# Altium PCB OctopusPB_r0102.PcbDoc (part 6 of 10)
Units mm, origin at the board's own origin, x right, y up, seen from the top; angles counter-clockwise.
Board outline 318 x 80 mm, 4 copper layers (Top Layer, Layer 1, Layer 2, Bottom Layer), stack 1.62 mm thick; 806 components, 346 nets, 2957 pads, 6733 vias.
Unrouted connection lines stored in the file: 1143.
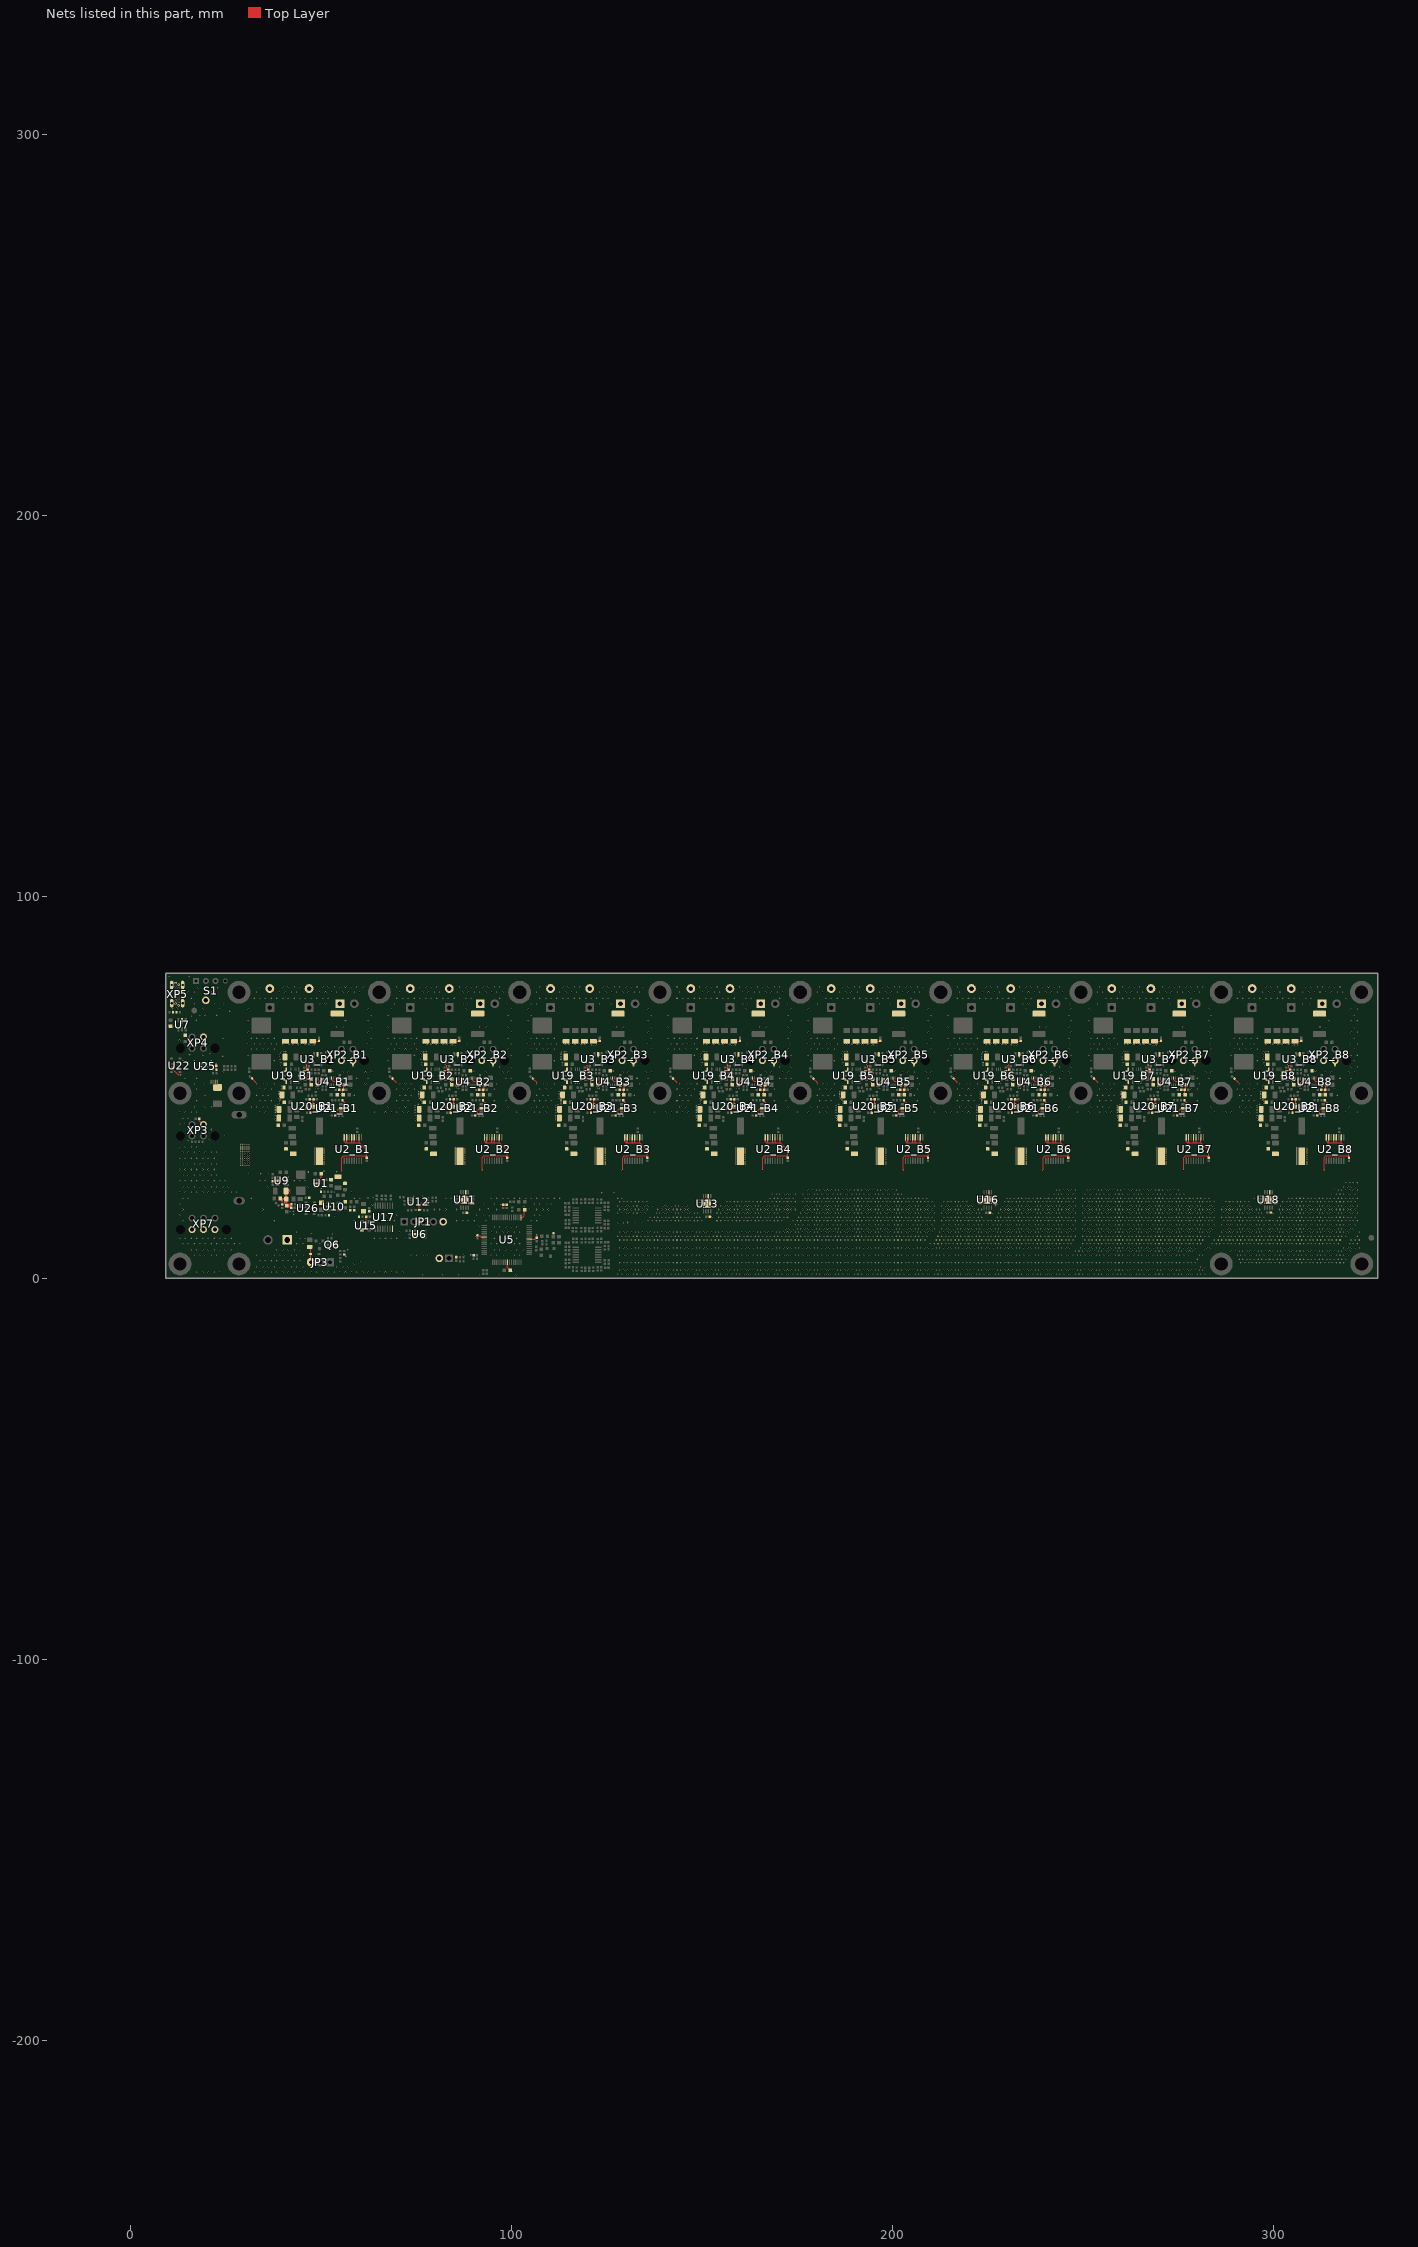
[diagram p8: the nets of this part, all layers, seen from the top]

## Via types
v1: diameter 0.4, hole 0.2, Top Layer to Bottom Layer, tented both sides, 6713 vias
v2: diameter 0.5, hole 0.2, Top Layer to Bottom Layer, tented both sides, 20 vias

## Nets (pads, with @x,y where several pads share a name; then routed paths per layer and width w, separated by ;. In a path a pad name is that pad's centre, name@x,y a point inside that pad or via, vN(x,y) a via of type N, cw(c..) or ccw(c..) an arc to the next point about the centre after c; other vN are vias at no path point) (continued)
DGND: (continued)
  other v1: 76.75,0.85 81.75,0.85 86.175,0.85 91.35,0.85 96.325,0.85 101.275,0.9 127.916,0.984 128.916,0.984 129.916,0.984 130.916,0.984 131.916,0.984 132.916,0.984 133.916,0.984 134.916,0.984 135.916,0.984 136.916,0.984 137.916,0.984 138.916,0.984 139.916,0.984 140.916,0.984 141.916,0.984 142.916,0.984 143.916,0.984 144.916,0.984 145.916,0.984 146.916,0.984 147.916,0.984 148.916,0.984 149.916,0.984 150.916,0.984 151.916,0.984 152.916,0.984 153.916,0.984 154.916,0.984 155.916,0.984 156.916,0.984 157.916,0.984 158.916,0.984 159.916,0.984 160.916,0.984 161.916,0.984 162.916,0.984 163.916,0.984 164.916,0.984 165.916,0.984 166.916,0.984 167.916,0.984 168.916,0.984 169.916,0.984 170.916,0.984 171.916,0.984 172.916,0.984 173.916,0.984 174.916,0.984 175.916,0.984 176.916,0.984 177.916,0.984 178.916,0.984 179.916,0.984 180.916,0.984 181.916,0.984 182.916,0.984 183.916,0.984 184.916,0.984 185.916,0.984 186.916,0.984 187.916,0.984 188.916,0.984 189.916,0.984 190.916,0.984 191.916,0.984 192.916,0.984 193.916,0.984 194.916,0.984 195.916,0.984 196.916,0.984 197.916,0.984 198.916,0.984 199.916,0.984 200.916,0.984 201.916,0.984 202.916,0.984 203.916,0.984 204.916,0.984 205.916,0.984 206.916,0.984 207.916,0.984 208.916,0.984 209.916,0.984 210.916,0.984 211.916,0.984 212.916,0.984 213.916,0.984 214.916,0.984 215.916,0.984 216.916,0.984 217.916,0.984 218.916,0.984 219.916,0.984 220.916,0.984 221.916,0.984 222.916,0.984 223.916,0.984 224.916,0.984 225.916,0.984 226.916,0.984 227.916,0.984 228.916,0.984 229.916,0.984 230.916,0.984 231.916,0.984 232.916,0.984 233.916,0.984 234.916,0.984 235.916,0.984 236.916,0.984 237.916,0.984 238.916,0.984 239.916,0.984 240.916,0.984 241.916,0.984 242.916,0.984 243.916,0.984 244.916,0.984 245.916,0.984 246.916,0.984 247.916,0.984 248.916,0.984 249.916,0.984 250.916,0.984 251.916,0.984 252.916,0.984 253.916,0.984 254.916,0.984 255.916,0.984 256.916,0.984 257.916,0.984 258.916,0.984 259.916,0.984 260.916,0.984 261.916,0.984 262.916,0.984 263.916,0.984 264.916,0.984 265.916,0.984 266.916,0.984 267.916,0.984 268.916,0.984 269.916,0.984 270.916,0.984 271.916,0.984 272.916,0.984 273.916,0.984 274.916,0.984 275.916,0.984 276.916,0.984 277.916,0.984 278.916,0.984 279.916,0.984 280.916,0.984 281.916,0.984 282.916,0.984 17.416,1.484 18.916,1.484 20.416,1.484 21.916,1.484 23.416,1.484 32.416,1.484 33.916,1.484 35.416,1.484 36.916,1.484 38.416,1.484 39.916,1.484 41.416,1.484 42.916,1.484 44.416,1.484 45.916,1.484 47.416,1.484 48.916,1.484 50.416,1.484 51.916,1.484 53.416,1.484 54.916,1.484 56.416,1.484 57.916,1.484 59.416,1.484 60.916,1.484 62.416,1.484 63.916,1.484 65.416,1.484 66.916,1.484 68.416,1.484 69.916,1.484 71.416,1.484 128.416,1.984 129.416,1.984 130.416,1.984 131.416,1.984 132.416,1.984 133.416,1.984 134.416,1.984 135.416,1.984 136.416,1.984 137.416,1.984 138.416,1.984 139.416,1.984 140.416,1.984 141.416,1.984 142.416,1.984 143.416,1.984 144.416,1.984 145.416,1.984 146.416,1.984 147.416,1.984 148.416,1.984 149.416,1.984 150.416,1.984 151.416,1.984 152.416,1.984 153.416,1.984 154.416,1.984 155.416,1.984 156.416,1.984 157.416,1.984 158.416,1.984 159.416,1.984 160.416,1.984 161.416,1.984 162.416,1.984 163.416,1.984 164.416,1.984 165.416,1.984 166.416,1.984 167.416,1.984 168.416,1.984 169.416,1.984 170.416,1.984 171.416,1.984 172.416,1.984 173.416,1.984 174.416,1.984 175.416,1.984 176.416,1.984 177.416,1.984 178.416,1.984 179.416,1.984 180.416,1.984 181.416,1.984 182.416,1.984 183.416,1.984 184.416,1.984 185.416,1.984 186.416,1.984 187.416,1.984 188.416,1.984 189.416,1.984 190.416,1.984 191.416,1.984 192.416,1.984 193.416,1.984 194.416,1.984 195.416,1.984 196.416,1.984 197.416,1.984 198.416,1.984 199.416,1.984 200.416,1.984 201.416,1.984 202.416,1.984 203.416,1.984 204.416,1.984 205.416,1.984 206.416,1.984 207.416,1.984 208.416,1.984 209.416,1.984 210.416,1.984 211.416,1.984 212.416,1.984 213.416,1.984 214.416,1.984 215.416,1.984 216.416,1.984 217.416,1.984 218.416,1.984 219.416,1.984 220.416,1.984 221.416,1.984 222.416,1.984 223.416,1.984 224.416,1.984 225.416,1.984 226.416,1.984 227.416,1.984 228.416,1.984 229.416,1.984 230.416,1.984 231.416,1.984 232.416,1.984 233.416,1.984 234.416,1.984 235.416,1.984 236.416,1.984 237.416,1.984 238.416,1.984 239.416,1.984 240.416,1.984 241.416,1.984 242.416,1.984 243.416,1.984 244.416,1.984 245.416,1.984 246.416,1.984 247.416,1.984 248.416,1.984 249.416,1.984 250.416,1.984 251.416,1.984 252.416,1.984 253.416,1.984 254.416,1.984 255.416,1.984 256.416,1.984 257.416,1.984 258.416,1.984 259.416,1.984 260.416,1.984 261.416,1.984 262.416,1.984 263.416,1.984 264.416,1.984 265.416,1.984 266.416,1.984 267.416,1.984 268.416,1.984 269.416,1.984 270.416,1.984 271.416,1.984 272.416,1.984 273.416,1.984 274.416,1.984 275.416,1.984 276.416,1.984 277.416,1.984 278.416,1.984 279.416,1.984 280.416,1.984 281.416,1.984 33.166,2.984 34.666,2.984 36.166,2.984 37.666,2.984 39.166,2.984 40.666,2.984 42.166,2.984 43.666,2.984 45.166,2.984 54.166,2.984 55.666,2.984 57.166,2.984 280.916,2.984 281.916,2.984 58.775,3.8 128.416,3.984 129.416,3.984 130.416,3.984 131.416,3.984 132.416,3.984 133.416,3.984 134.416,3.984 135.416,3.984 136.416,3.984 137.416,3.984 138.416,3.984 139.416,3.984 140.416,3.984 141.416,3.984 142.416,3.984 143.416,3.984 144.416,3.984 145.416,3.984 146.416,3.984 147.416,3.984 148.416,3.984 149.416,3.984 150.416,3.984 151.416,3.984 152.416,3.984 153.416,3.984 154.416,3.984 155.416,3.984 156.416,3.984 157.416,3.984 158.416,3.984 159.416,3.984 160.416,3.984 161.416,3.984 162.416,3.984 163.416,3.984 164.416,3.984 165.416,3.984 166.416,3.984 167.416,3.984 168.416,3.984 169.416,3.984 170.416,3.984 171.416,3.984 172.416,3.984 173.416,3.984 174.416,3.984 175.416,3.984 176.416,3.984 177.416,3.984 178.416,3.984 179.416,3.984 180.416,3.984 181.416,3.984 182.416,3.984 183.416,3.984 184.416,3.984 185.416,3.984 186.416,3.984 187.416,3.984 188.416,3.984 189.416,3.984 190.416,3.984 191.416,3.984 192.416,3.984 193.416,3.984 194.416,3.984 195.416,3.984 196.416,3.984 197.416,3.984 198.416,3.984 199.416,3.984 200.416,3.984 201.416,3.984 202.416,3.984 203.416,3.984 204.416,3.984 205.416,3.984 206.416,3.984 207.416,3.984 208.416,3.984 209.416,3.984 210.416,3.984 211.416,3.984 212.416,3.984 213.416,3.984 214.416,3.984 215.416,3.984 216.416,3.984 217.416,3.984 218.416,3.984 219.416,3.984 220.416,3.984 221.416,3.984 222.416,3.984 223.416,3.984 224.416,3.984 225.416,3.984 226.416,3.984 227.416,3.984 228.416,3.984 229.416,3.984 230.416,3.984 231.416,3.984 232.416,3.984 233.416,3.984 234.416,3.984 235.416,3.984 236.416,3.984 237.416,3.984 238.416,3.984 239.416,3.984 240.416,3.984 241.416,3.984 242.416,3.984 243.416,3.984 244.416,3.984 245.416,3.984 246.416,3.984 247.416,3.984 248.416,3.984 249.416,3.984 250.416,3.984 251.416,3.984 252.416,3.984 253.416,3.984 254.416,3.984 255.416,3.984 256.416,3.984 257.416,3.984 258.416,3.984 259.416,3.984 260.416,3.984 261.416,3.984 262.416,3.984 263.416,3.984 264.416,3.984 265.416,3.984 266.416,3.984 267.416,3.984 268.416,3.984 269.416,3.984 270.416,3.984 271.416,3.984 272.416,3.984 273.416,3.984 274.416,3.984 275.416,3.984 276.416,3.984 277.416,3.984 278.416,3.984 279.416,3.984 291.416,3.984 292.416,3.984 293.416,3.984 294.416,3.984 295.416,3.984 296.416,3.984 297.416,3.984 298.416,3.984 299.416,3.984 300.416,3.984 301.416,3.984 302.416,3.984 303.416,3.984 304.416,3.984 305.416,3.984 306.416,3.984 307.416,3.984 308.416,3.984 309.416,3.984 310.416,3.984 311.416,3.984 312.416,3.984 313.416,3.984 314.416,3.984 315.416,3.984 316.416,3.984 317.416,3.984 318.416,3.984 60.1,4.275 33.916,4.484 35.416,4.484 36.916,4.484 38.416,4.484 39.916,4.484 41.416,4.484 42.916,4.484 44.416,4.484 279.916,4.984 290.916,4.984 291.916,4.984 292.916,4.984 293.916,4.984 294.916,4.984 295.916,4.984 296.916,4.984 297.916,4.984 298.916,4.984 299.916,4.984 300.916,4.984 301.916,4.984 302.916,4.984 303.916,4.984 304.916,4.984 305.916,4.984 306.916,4.984 307.916,4.984 308.916,4.984 309.916,4.984 310.916,4.984 311.916,4.984 312.916,4.984 313.916,4.984 314.916,4.984 315.916,4.984 316.916,4.984 317.916,4.984 318.916,4.984 16.666,5.984 18.166,5.984 19.666,5.984 21.166,5.984 22.666,5.984 24.166,5.984 33.166,5.984 34.666,5.984 36.166,5.984 37.666,5.984 39.166,5.984 40.666,5.984 42.166,5.984 43.666,5.984 45.166,5.984 73.666,5.984 75.166,5.984 76.666,5.984 78.166,5.984 94.666,5.984 96.166,5.984 97.666,5.984 100.666,5.984 102.166,5.984 128.416,5.984 129.416,5.984 130.416,5.984 131.416,5.984 132.416,5.984 133.416,5.984 134.416,5.984 135.416,5.984 136.416,5.984 137.416,5.984 138.416,5.984 139.416,5.984 140.416,5.984 141.416,5.984 142.416,5.984 143.416,5.984 144.416,5.984 145.416,5.984 146.416,5.984 147.416,5.984 148.416,5.984 149.416,5.984 150.416,5.984 151.416,5.984 152.416,5.984 153.416,5.984 154.416,5.984 155.416,5.984 156.416,5.984 157.416,5.984 158.416,5.984 159.416,5.984 160.416,5.984 161.416,5.984 162.416,5.984 163.416,5.984 164.416,5.984 165.416,5.984 166.416,5.984 167.416,5.984 168.416,5.984 169.416,5.984 170.416,5.984 171.416,5.984 172.416,5.984 173.416,5.984 174.416,5.984 175.416,5.984 176.416,5.984 177.416,5.984 178.416,5.984 179.416,5.984 180.416,5.984 181.416,5.984 182.416,5.984 183.416,5.984 184.416,5.984 185.416,5.984 186.416,5.984 187.416,5.984 188.416,5.984 189.416,5.984 190.416,5.984 191.416,5.984 192.416,5.984 193.416,5.984 194.416,5.984 195.416,5.984 196.416,5.984 197.416,5.984 198.416,5.984 199.416,5.984 200.416,5.984 201.416,5.984 202.416,5.984 203.416,5.984 204.416,5.984 205.416,5.984 206.416,5.984 207.416,5.984 208.416,5.984 209.416,5.984 210.416,5.984 211.416,5.984 212.416,5.984 213.416,5.984 214.416,5.984 215.416,5.984 216.416,5.984 217.416,5.984 218.416,5.984 219.416,5.984 220.416,5.984 221.416,5.984 222.416,5.984 223.416,5.984 224.416,5.984 225.416,5.984 226.416,5.984 227.416,5.984 228.416,5.984 229.416,5.984 230.416,5.984 231.416,5.984 232.416,5.984 233.416,5.984 234.416,5.984 235.416,5.984 236.416,5.984 237.416,5.984 238.416,5.984 239.416,5.984 240.416,5.984 241.416,5.984 242.416,5.984 243.416,5.984 244.416,5.984 245.416,5.984 246.416,5.984 247.416,5.984 248.416,5.984 249.416,5.984 250.416,5.984 251.416,5.984 252.416,5.984 253.416,5.984 254.416,5.984 255.416,5.984 256.416,5.984 257.416,5.984 258.416,5.984 259.416,5.984 260.416,5.984 261.416,5.984 262.416,5.984 263.416,5.984 264.416,5.984 265.416,5.984 266.416,5.984 267.416,5.984 268.416,5.984 269.416,5.984 270.416,5.984 271.416,5.984 272.416,5.984 273.416,5.984 274.416,5.984 275.416,5.984 276.416,5.984 277.416,5.984 280.416,5.984 281.416,5.984 290.416,5.984 291.416,5.984 292.416,5.984 293.416,5.984 294.416,5.984 295.416,5.984 296.416,5.984 297.416,5.984 298.416,5.984 299.416,5.984 300.416,5.984 301.416,5.984 302.416,5.984 303.416,5.984 304.416,5.984 305.416,5.984 306.416,5.984 307.416,5.984 308.416,5.984 309.416,5.984 310.416,5.984 311.416,5.984 312.416,5.984 313.416,5.984 314.416,5.984 315.416,5.984 316.416,5.984 317.416,5.984 318.416,5.984 319.416,5.984 87.6,6.15 247.916,6.984 248.916,6.984 249.916,6.984 250.916,6.984 251.916,6.984 252.916,6.984 253.916,6.984 254.916,6.984 255.916,6.984 256.916,6.984 257.916,6.984 258.916,6.984 259.916,6.984 260.916,6.984 261.916,6.984 262.916,6.984 263.916,6.984 264.916,6.984 265.916,6.984 266.916,6.984 267.916,6.984 268.916,6.984 269.916,6.984 270.916,6.984 271.916,6.984 272.916,6.984 273.916,6.984 274.916,6.984 275.916,6.984 276.916,6.984 277.916,6.984 278.916,6.984 281.916,6.984 288.916,6.984 289.916,6.984 290.916,6.984 291.916,6.984 292.916,6.984 293.916,6.984 294.916,6.984 295.916,6.984 296.916,6.984 297.916,6.984 298.916,6.984 299.916,6.984 300.916,6.984 301.916,6.984 302.916,6.984 303.916,6.984 304.916,6.984 305.916,6.984 306.916,6.984 307.916,6.984 308.916,6.984 309.916,6.984 310.916,6.984 311.916,6.984 312.916,6.984 313.916,6.984 314.916,6.984 315.916,6.984 316.916,6.984 317.916,6.984 318.916,6.984 319.916,6.984 57.05,7.375 15.916,7.484 17.416,7.484 18.916,7.484 20.416,7.484 21.916,7.484 23.416,7.484 24.916,7.484 26.416,7.484 38.416,7.484 39.916,7.484 41.416,7.484 42.916,7.484 44.416,7.484 51.916,7.484 95.416,7.484 96.916,7.484 98.416,7.484 99.916,7.484 101.416,7.484 102.916,7.484 128.416,7.984 129.416,7.984 130.416,7.984 131.416,7.984 132.416,7.984 133.416,7.984 134.416,7.984 135.416,7.984 136.416,7.984 137.416,7.984 138.416,7.984 139.416,7.984 140.416,7.984 141.416,7.984 142.416,7.984 143.416,7.984 144.416,7.984 145.416,7.984 146.416,7.984 147.416,7.984 148.416,7.984 149.416,7.984 150.416,7.984 151.416,7.984 152.416,7.984 153.416,7.984 154.416,7.984 155.416,7.984 156.416,7.984 157.416,7.984 158.416,7.984 159.416,7.984 160.416,7.984 161.416,7.984 162.416,7.984 163.416,7.984 164.416,7.984 165.416,7.984 166.416,7.984 167.416,7.984 168.416,7.984 169.416,7.984 170.416,7.984 171.416,7.984 172.416,7.984 173.416,7.984 174.416,7.984 175.416,7.984 176.416,7.984 177.416,7.984 178.416,7.984 179.416,7.984 180.416,7.984 181.416,7.984 182.416,7.984 183.416,7.984 184.416,7.984 185.416,7.984 186.416,7.984 187.416,7.984 188.416,7.984 189.416,7.984 190.416,7.984 191.416,7.984 192.416,7.984 193.416,7.984 194.416,7.984 195.416,7.984 196.416,7.984 197.416,7.984 198.416,7.984 199.416,7.984 200.416,7.984 201.416,7.984 202.416,7.984 203.416,7.984 204.416,7.984 205.416,7.984 206.416,7.984 207.416,7.984 208.416,7.984 209.416,7.984 210.416,7.984 211.416,7.984 212.416,7.984 213.416,7.984 214.416,7.984 215.416,7.984 216.416,7.984 217.416,7.984 218.416,7.984 219.416,7.984 220.416,7.984 221.416,7.984 222.416,7.984 223.416,7.984 224.416,7.984 225.416,7.984 226.416,7.984 227.416,7.984 228.416,7.984 229.416,7.984 230.416,7.984 231.416,7.984 232.416,7.984 233.416,7.984 234.416,7.984 235.416,7.984 236.416,7.984 237.416,7.984 238.416,7.984 239.416,7.984 240.416,7.984 241.416,7.984 242.416,7.984 243.416,7.984 244.416,7.984 245.416,7.984 246.416,7.984 249.416,7.984 250.416,7.984 251.416,7.984 252.416,7.984 253.416,7.984 254.416,7.984 255.416,7.984 256.416,7.984 257.416,7.984 258.416,7.984 259.416,7.984 260.416,7.984 261.416,7.984 262.416,7.984 263.416,7.984 264.416,7.984 265.416,7.984 266.416,7.984 267.416,7.984 268.416,7.984 269.416,7.984 270.416,7.984 271.416,7.984 272.416,7.984 273.416,7.984 274.416,7.984 275.416,7.984 276.416,7.984 277.416,7.984 278.416,7.984 279.416,7.984 282.416,7.984 283.416,7.984 318.416,7.984 319.416,7.984 320.416,7.984 321.416,7.984 322.416,7.984 13.666,8.984 15.166,8.984 16.666,8.984 18.166,8.984 19.666,8.984 21.166,8.984 22.666,8.984 24.166,8.984 25.666,8.984 27.166,8.984 28.666,8.984 43.666,8.984 45.166,8.984 49.666,8.984 94.666,8.984 96.166,8.984 97.666,8.984 99.166,8.984 100.666,8.984 102.166,8.984 209.916,8.984 210.916,8.984 211.916,8.984 212.916,8.984 213.916,8.984 214.916,8.984 215.916,8.984 216.916,8.984 217.916,8.984 218.916,8.984 219.916,8.984 220.916,8.984 221.916,8.984 222.916,8.984 223.916,8.984 224.916,8.984 225.916,8.984 226.916,8.984 227.916,8.984 228.916,8.984 229.916,8.984 230.916,8.984 231.916,8.984 232.916,8.984 233.916,8.984 234.916,8.984 235.916,8.984 236.916,8.984 237.916,8.984 238.916,8.984 239.916,8.984 240.916,8.984 241.916,8.984 242.916,8.984 243.916,8.984 244.916,8.984 245.916,8.984 246.916,8.984 249.916,8.984 250.916,8.984 251.916,8.984 252.916,8.984 253.916,8.984 254.916,8.984 255.916,8.984 256.916,8.984 257.916,8.984 258.916,8.984 259.916,8.984 260.916,8.984 261.916,8.984 262.916,8.984 263.916,8.984 264.916,8.984 265.916,8.984 266.916,8.984 267.916,8.984 268.916,8.984 269.916,8.984 270.916,8.984 271.916,8.984 272.916,8.984 273.916,8.984 274.916,8.984 275.916,8.984 276.916,8.984 277.916,8.984 278.916,8.984 279.916,8.984 280.916,8.984 283.916,8.984 284.916,8.984 285.916,8.984 286.916,8.984 287.916,8.984 288.916,8.984 289.916,8.984 290.916,8.984 291.916,8.984 292.916,8.984 293.916,8.984 294.916,8.984 295.916,8.984 296.916,8.984 297.916,8.984 298.916,8.984 299.916,8.984 300.916,8.984 301.916,8.984 302.916,8.984 303.916,8.984 304.916,8.984 305.916,8.984 306.916,8.984 307.916,8.984 308.916,8.984 309.916,8.984 310.916,8.984 311.916,8.984 312.916,8.984 313.916,8.984 314.916,8.984 315.916,8.984 316.916,8.984 319.916,8.984 320.916,8.984 321.916,8.984 128.416,9.984 129.416,9.984 130.416,9.984 131.416,9.984 132.416,9.984 133.416,9.984 134.416,9.984 135.416,9.984 136.416,9.984 137.416,9.984 138.416,9.984 139.416,9.984 140.416,9.984 141.416,9.984 142.416,9.984 143.416,9.984 144.416,9.984 145.416,9.984 146.416,9.984 147.416,9.984 148.416,9.984 149.416,9.984 150.416,9.984 151.416,9.984 152.416,9.984 153.416,9.984 154.416,9.984 155.416,9.984 156.416,9.984 157.416,9.984 158.416,9.984 159.416,9.984 160.416,9.984 161.416,9.984 162.416,9.984 163.416,9.984 164.416,9.984 165.416,9.984 166.416,9.984 167.416,9.984 168.416,9.984 169.416,9.984 170.416,9.984 171.416,9.984 172.416,9.984 173.416,9.984 174.416,9.984 175.416,9.984 176.416,9.984 177.416,9.984 178.416,9.984 179.416,9.984 180.416,9.984 181.416,9.984 182.416,9.984 183.416,9.984 184.416,9.984 185.416,9.984 186.416,9.984 187.416,9.984 188.416,9.984 189.416,9.984 190.416,9.984 191.416,9.984 192.416,9.984 193.416,9.984 194.416,9.984 195.416,9.984 196.416,9.984 197.416,9.984 198.416,9.984 199.416,9.984 200.416,9.984 201.416,9.984 202.416,9.984 203.416,9.984 204.416,9.984 205.416,9.984 206.416,9.984 207.416,9.984 208.416,9.984 211.416,9.984 212.416,9.984 213.416,9.984 214.416,9.984 215.416,9.984 216.416,9.984 217.416,9.984 218.416,9.984 219.416,9.984 220.416,9.984 221.416,9.984 222.416,9.984 223.416,9.984 224.416,9.984 225.416,9.984 226.416,9.984 227.416,9.984 228.416,9.984 229.416,9.984 230.416,9.984 231.416,9.984 232.416,9.984 233.416,9.984 234.416,9.984 235.416,9.984 236.416,9.984 237.416,9.984 238.416,9.984 239.416,9.984 240.416,9.984 241.416,9.984 242.416,9.984 243.416,9.984 244.416,9.984 245.416,9.984 246.416,9.984 247.416,9.984 250.416,9.984 251.416,9.984 252.416,9.984 253.416,9.984 254.416,9.984 255.416,9.984 256.416,9.984 257.416,9.984 258.416,9.984 259.416,9.984 260.416,9.984 261.416,9.984 262.416,9.984 263.416,9.984 264.416,9.984 265.416,9.984 266.416,9.984 267.416,9.984 268.416,9.984 269.416,9.984 270.416,9.984 271.416,9.984 272.416,9.984 273.416,9.984 274.416,9.984 275.416,9.984 276.416,9.984 277.416,9.984 278.416,9.984 279.416,9.984 280.416,9.984 281.416,9.984 284.416,9.984 285.416,9.984 286.416,9.984 287.416,9.984 288.416,9.984 289.416,9.984 290.416,9.984 291.416,9.984 292.416,9.984 293.416,9.984 294.416,9.984 295.416,9.984 296.416,9.984 297.416,9.984 298.416,9.984 299.416,9.984 300.416,9.984 301.416,9.984 302.416,9.984 303.416,9.984 304.416,9.984 305.416,9.984 306.416,9.984 307.416,9.984 308.416,9.984 309.416,9.984 310.416,9.984 311.416,9.984 312.416,9.984 313.416,9.984 314.416,9.984 315.416,9.984 316.416,9.984 317.416,9.984 320.416,9.984 321.416,9.984 322.416,9.984 72.1,10.125 12.916,10.484 14.416,10.484 15.916,10.484 17.416,10.484 18.916,10.484 20.416,10.484 21.916,10.484 23.416,10.484 24.916,10.484 26.416,10.484 44.416,10.484 45.916,10.484 63.916,10.484 65.416,10.484 66.916,10.484 68.416,10.484 69.916,10.484 95.416,10.484 96.916,10.484 98.416,10.484 99.916,10.484 101.416,10.484 127.916,10.984 128.916,10.984 129.916,10.984 130.916,10.984 131.916,10.984 132.916,10.984 133.916,10.984 134.916,10.984 135.916,10.984 136.916,10.984 137.916,10.984 138.916,10.984 139.916,10.984 140.916,10.984 141.916,10.984 142.916,10.984 143.916,10.984 144.916,10.984 145.916,10.984 146.916,10.984 147.916,10.984 148.916,10.984 149.916,10.984 150.916,10.984 151.916,10.984 152.916,10.984 153.916,10.984 154.916,10.984 155.916,10.984 156.916,10.984 157.916,10.984 158.916,10.984 159.916,10.984 160.916,10.984 161.916,10.984 162.916,10.984 163.916,10.984 164.916,10.984 165.916,10.984 166.916,10.984 167.916,10.984 168.916,10.984 169.916,10.984 170.916,10.984 171.916,10.984 172.916,10.984 173.916,10.984 174.916,10.984 175.916,10.984 176.916,10.984 177.916,10.984 178.916,10.984 179.916,10.984 180.916,10.984 181.916,10.984 182.916,10.984 183.916,10.984 184.916,10.984 185.916,10.984 186.916,10.984 187.916,10.984 188.916,10.984 189.916,10.984 190.916,10.984 191.916,10.984 192.916,10.984 193.916,10.984 194.916,10.984 195.916,10.984 196.916,10.984 197.916,10.984 198.916,10.984 199.916,10.984 200.916,10.984 201.916,10.984 202.916,10.984 203.916,10.984 204.916,10.984 205.916,10.984 206.916,10.984 207.916,10.984 208.916,10.984 211.916,10.984 212.916,10.984 213.916,10.984 214.916,10.984 215.916,10.984 216.916,10.984 217.916,10.984 218.916,10.984 219.916,10.984 220.916,10.984 221.916,10.984 222.916,10.984 223.916,10.984 224.916,10.984 225.916,10.984 226.916,10.984 227.916,10.984 228.916,10.984 229.916,10.984 230.916,10.984 231.916,10.984 232.916,10.984 233.916,10.984 234.916,10.984 235.916,10.984 236.916,10.984 237.916,10.984 238.916,10.984 239.916,10.984 240.916,10.984 241.916,10.984 242.916,10.984 243.916,10.984 244.916,10.984 245.916,10.984 246.916,10.984 247.916,10.984 249.916,10.984 250.916,10.984 251.916,10.984 252.916,10.984 253.916,10.984 254.916,10.984 255.916,10.984 256.916,10.984 257.916,10.984 258.916,10.984 259.916,10.984 260.916,10.984 261.916,10.984 262.916,10.984 263.916,10.984 264.916,10.984 265.916,10.984 266.916,10.984 267.916,10.984 268.916,10.984 269.916,10.984 270.916,10.984 271.916,10.984 272.916,10.984 273.916,10.984 274.916,10.984 275.916,10.984 276.916,10.984 277.916,10.984 278.916,10.984 279.916,10.984 280.916,10.984 281.916,10.984 282.916,10.984 285.916,10.984 286.916,10.984 287.916,10.984 288.916,10.984 289.916,10.984 290.916,10.984 291.916,10.984 292.916,10.984 293.916,10.984 294.916,10.984 295.916,10.984 296.916,10.984 297.916,10.984 298.916,10.984 299.916,10.984 300.916,10.984 301.916,10.984 302.916,10.984 303.916,10.984 304.916,10.984 305.916,10.984 306.916,10.984 307.916,10.984 308.916,10.984 309.916,10.984 310.916,10.984 311.916,10.984 312.916,10.984 313.916,10.984 314.916,10.984 315.916,10.984 316.916,10.984 317.916,10.984 318.916,10.984 321.916,10.984 52.9,11.475 47.425,11.6 43.666,11.984 70.666,11.984 94.666,11.984 96.166,11.984 97.666,11.984 99.166,11.984 100.666,11.984 102.166,11.984 128.416,11.984 129.416,11.984 130.416,11.984 131.416,11.984 132.416,11.984 133.416,11.984 134.416,11.984 135.416,11.984 136.416,11.984 137.416,11.984 138.416,11.984 139.416,11.984 140.416,11.984 141.416,11.984 142.416,11.984 143.416,11.984 144.416,11.984 145.416,11.984 146.416,11.984 147.416,11.984 148.416,11.984 149.416,11.984 150.416,11.984 151.416,11.984 152.416,11.984 153.416,11.984 154.416,11.984 155.416,11.984 156.416,11.984 157.416,11.984 158.416,11.984 159.416,11.984 160.416,11.984 161.416,11.984 162.416,11.984 163.416,11.984 164.416,11.984 165.416,11.984 166.416,11.984 167.416,11.984 168.416,11.984 169.416,11.984 170.416,11.984 171.416,11.984 172.416,11.984 173.416,11.984 174.416,11.984 175.416,11.984 176.416,11.984 177.416,11.984 178.416,11.984 179.416,11.984 180.416,11.984 181.416,11.984 182.416,11.984 183.416,11.984 184.416,11.984 185.416,11.984 186.416,11.984 187.416,11.984 188.416,11.984 189.416,11.984 190.416,11.984 191.416,11.984 192.416,11.984 193.416,11.984 194.416,11.984 195.416,11.984 196.416,11.984 197.416,11.984 198.416,11.984 199.416,11.984 200.416,11.984 201.416,11.984 202.416,11.984 203.416,11.984 204.416,11.984 205.416,11.984 206.416,11.984 207.416,11.984 208.416,11.984 209.416,11.984 210.416,11.984 212.416,11.984 213.416,11.984 214.416,11.984 215.416,11.984 216.416,11.984 217.416,11.984 218.416,11.984 219.416,11.984 220.416,11.984 221.416,11.984 222.416,11.984 223.416,11.984 224.416,11.984 225.416,11.984 226.416,11.984 227.416,11.984 228.416,11.984 229.416,11.984 230.416,11.984 231.416,11.984 232.416,11.984 233.416,11.984 234.416,11.984 235.416,11.984 236.416,11.984 237.416,11.984 238.416,11.984 239.416,11.984 240.416,11.984 241.416,11.984 242.416,11.984 243.416,11.984 244.416,11.984 245.416,11.984 246.416,11.984 247.416,11.984 250.416,11.984 251.416,11.984 252.416,11.984 253.416,11.984 254.416,11.984 255.416,11.984 256.416,11.984 257.416,11.984 258.416,11.984 259.416,11.984 260.416,11.984 261.416,11.984 262.416,11.984 263.416,11.984 264.416,11.984 265.416,11.984 266.416,11.984 267.416,11.984 268.416,11.984 269.416,11.984 270.416,11.984 271.416,11.984 272.416,11.984 273.416,11.984 274.416,11.984 275.416,11.984 276.416,11.984 277.416,11.984 278.416,11.984 279.416,11.984 280.416,11.984 281.416,11.984 282.416,11.984 283.416,11.984 286.416,11.984 287.416,11.984 288.416,11.984 289.416,11.984 290.416,11.984 291.416,11.984 292.416,11.984 293.416,11.984 294.416,11.984 295.416,11.984 296.416,11.984 297.416,11.984 298.416,11.984 299.416,11.984 300.416,11.984 301.416,11.984 302.416,11.984 303.416,11.984 304.416,11.984 305.416,11.984 306.416,11.984 307.416,11.984 308.416,11.984 309.416,11.984 310.416,11.984 311.416,11.984 312.416,11.984 313.416,11.984 314.416,11.984 315.416,11.984 316.416,11.984 317.416,11.984 318.416,11.984 319.416,11.984 322.416,11.984 171.916,12.984 172.916,12.984 173.916,12.984 174.916,12.984 175.916,12.984 176.916,12.984 177.916,12.984 178.916,12.984 179.916,12.984 180.916,12.984 181.916,12.984 182.916,12.984 183.916,12.984 184.916,12.984 185.916,12.984 186.916,12.984 187.916,12.984 188.916,12.984 189.916,12.984 190.916,12.984 191.916,12.984 192.916,12.984 193.916,12.984 194.916,12.984 195.916,12.984 196.916,12.984 197.916,12.984 198.916,12.984 199.916,12.984 200.916,12.984 201.916,12.984 202.916,12.984 203.916,12.984 204.916,12.984 205.916,12.984 206.916,12.984 207.916,12.984 208.916,12.984 209.916,12.984 210.916,12.984 212.916,12.984 213.916,12.984 214.916,12.984 215.916,12.984 216.916,12.984 217.916,12.984 218.916,12.984 219.916,12.984 220.916,12.984 221.916,12.984 222.916,12.984 223.916,12.984 224.916,12.984 225.916,12.984 226.916,12.984 227.916,12.984 228.916,12.984 229.916,12.984 230.916,12.984 231.916,12.984 232.916,12.984 233.916,12.984 234.916,12.984 235.916,12.984 236.916,12.984 237.916,12.984 238.916,12.984 239.916,12.984 240.916,12.984 241.916,12.984 242.916,12.984 243.916,12.984 244.916,12.984 245.916,12.984 246.916,12.984 247.916,12.984 249.916,12.984 250.916,12.984 251.916,12.984 252.916,12.984 253.916,12.984 254.916,12.984 255.916,12.984 256.916,12.984 257.916,12.984 258.916,12.984 259.916,12.984 260.916,12.984 261.916,12.984 262.916,12.984 263.916,12.984 264.916,12.984 265.916,12.984 266.916,12.984 267.916,12.984 268.916,12.984 269.916,12.984 270.916,12.984 271.916,12.984 272.916,12.984 273.916,12.984 274.916,12.984 275.916,12.984 276.916,12.984 277.916,12.984 278.916,12.984 279.916,12.984 280.916,12.984 281.916,12.984 282.916,12.984 283.916,12.984 286.916,12.984 287.916,12.984 288.916,12.984 289.916,12.984 290.916,12.984 291.916,12.984 292.916,12.984 293.916,12.984 294.916,12.984 295.916,12.984 296.916,12.984 297.916,12.984 298.916,12.984 299.916,12.984 300.916,12.984 301.916,12.984 302.916,12.984 303.916,12.984 304.916,12.984 305.916,12.984 306.916,12.984 307.916,12.984 308.916,12.984 309.916,12.984 310.916,12.984 311.916,12.984 312.916,12.984 313.916,12.984 314.916,12.984 315.916,12.984 316.916,12.984 317.916,12.984 318.916,12.984 319.916,12.984 320.916,12.984 95.416,13.484 96.916,13.484 98.416,13.484 99.916,13.484 101.416,13.484 91.55,13.775 173.416,13.984 174.416,13.984 175.416,13.984 176.416,13.984 177.416,13.984 178.416,13.984 179.416,13.984 180.416,13.984 181.416,13.984 182.416,13.984 183.416,13.984 184.416,13.984 185.416,13.984 186.416,13.984 187.416,13.984 188.416,13.984 189.416,13.984 190.416,13.984 191.416,13.984 192.416,13.984 193.416,13.984 194.416,13.984 195.416,13.984 196.416,13.984 197.416,13.984 198.416,13.984 199.416,13.984 200.416,13.984 201.416,13.984 202.416,13.984 203.416,13.984 204.416,13.984 205.416,13.984 206.416,13.984 207.416,13.984 208.416,13.984 209.416,13.984 210.416,13.984 213.416,13.984 214.416,13.984 215.416,13.984 216.416,13.984 217.416,13.984 218.416,13.984 219.416,13.984 220.416,13.984 221.416,13.984 222.416,13.984 223.416,13.984 224.416,13.984 225.416,13.984 226.416,13.984 227.416,13.984 228.416,13.984 229.416,13.984 230.416,13.984 231.416,13.984 232.416,13.984 233.416,13.984 234.416,13.984 235.416,13.984 236.416,13.984 237.416,13.984 238.416,13.984 239.416,13.984 240.416,13.984 241.416,13.984 242.416,13.984 243.416,13.984 244.416,13.984 245.416,13.984 246.416,13.984 247.416,13.984 250.416,13.984 251.416,13.984 252.416,13.984 253.416,13.984 254.416,13.984 255.416,13.984 256.416,13.984 257.416,13.984 258.416,13.984 259.416,13.984 260.416,13.984 261.416,13.984 262.416,13.984 263.416,13.984 264.416,13.984 265.416,13.984 266.416,13.984 267.416,13.984 268.416,13.984 269.416,13.984 270.416,13.984 271.416,13.984 272.416,13.984 273.416,13.984 274.416,13.984 275.416,13.984 276.416,13.984 277.416,13.984 278.416,13.984 279.416,13.984 280.416,13.984 281.416,13.984 282.416,13.984 283.416,13.984 284.416,13.984 286.416,13.984 287.416,13.984 288.416,13.984 289.416,13.984 290.416,13.984 291.416,13.984 292.416,13.984 293.416,13.984 294.416,13.984 295.416,13.984 296.416,13.984 297.416,13.984 298.416,13.984 299.416,13.984 300.416,13.984 301.416,13.984 302.416,13.984 303.416,13.984 304.416,13.984 305.416,13.984 306.416,13.984 307.416,13.984 308.416,13.984 309.416,13.984 310.416,13.984 311.416,13.984 312.416,13.984 313.416,13.984 314.416,13.984 315.416,13.984 316.416,13.984 317.416,13.984 318.416,13.984 319.416,13.984 320.416,13.984 321.416,13.984 132.025,14.5 133.85,14.5 129.25,14.525 128.05,14.55 130.525,14.575 13.666,14.984 37.666,14.984 58.666,14.984 66.166,14.984 67.666,14.984 69.166,14.984 85.666,14.984 87.166,14.984 88.666,14.984 90.166,14.984 93.166,14.984 105.166,14.984 106.666,14.984 135.916,14.984 136.916,14.984 137.916,14.984 138.916,14.984 139.916,14.984 140.916,14.984 141.916,14.984 142.916,14.984 143.916,14.984 144.916,14.984 145.916,14.984 146.916,14.984 147.916,14.984 148.916,14.984 149.916,14.984 153.916,14.984 154.916,14.984 155.916,14.984 156.916,14.984 157.916,14.984 158.916,14.984 159.916,14.984 160.916,14.984 161.916,14.984 162.916,14.984 163.916,14.984 164.916,14.984 165.916,14.984 166.916,14.984 167.916,14.984 168.916,14.984 169.916,14.984 170.916,14.984 173.916,14.984 174.916,14.984 175.916,14.984 176.916,14.984 177.916,14.984 178.916,14.984 179.916,14.984 180.916,14.984 181.916,14.984 182.916,14.984 183.916,14.984 184.916,14.984 185.916,14.984 186.916,14.984 187.916,14.984 188.916,14.984 189.916,14.984 190.916,14.984 191.916,14.984 192.916,14.984 193.916,14.984 194.916,14.984 195.916,14.984 196.916,14.984 197.916,14.984 198.916,14.984 199.916,14.984 200.916,14.984 201.916,14.984 202.916,14.984 203.916,14.984 204.916,14.984 205.916,14.984 206.916,14.984 207.916,14.984 208.916,14.984 209.916,14.984 210.916,14.984 212.916,14.984 213.916,14.984 214.916,14.984 215.916,14.984 216.916,14.984 217.916,14.984 218.916,14.984 219.916,14.984 220.916,14.984 221.916,14.984 222.916,14.984 223.916,14.984 224.916,14.984 225.916,14.984 226.916,14.984 227.916,14.984 228.916,14.984 229.916,14.984 230.916,14.984 231.916,14.984 232.916,14.984 233.916,14.984 234.916,14.984 235.916,14.984 236.916,14.984 237.916,14.984 238.916,14.984 239.916,14.984 240.916,14.984 241.916,14.984 242.916,14.984 243.916,14.984 244.916,14.984 245.916,14.984 246.916,14.984 247.916,14.984 249.916,14.984 250.916,14.984 251.916,14.984 252.916,14.984 253.916,14.984 254.916,14.984 255.916,14.984 256.916,14.984 257.916,14.984 258.916,14.984 259.916,14.984 260.916,14.984 261.916,14.984 262.916,14.984 263.916,14.984 264.916,14.984 265.916,14.984 266.916,14.984 267.916,14.984 268.916,14.984 269.916,14.984 270.916,14.984 271.916,14.984 272.916,14.984 273.916,14.984 274.916,14.984 275.916,14.984 276.916,14.984 277.916,14.984 278.916,14.984 279.916,14.984 280.916,14.984 281.916,14.984 282.916,14.984 283.916,14.984 286.916,14.984 287.916,14.984 288.916,14.984 289.916,14.984 290.916,14.984 291.916,14.984 292.916,14.984 293.916,14.984 294.916,14.984 295.916,14.984 296.916,14.984 297.916,14.984 298.916,14.984 299.916,14.984 300.916,14.984 301.916,14.984 302.916,14.984 303.916,14.984 304.916,14.984 305.916,14.984 306.916,14.984 307.916,14.984 308.916,14.984 309.916,14.984 310.916,14.984 311.916,14.984 312.916,14.984 313.916,14.984 314.916,14.984 315.916,14.984 316.916,14.984 317.916,14.984 318.916,14.984 319.916,14.984 320.916,14.984 321.916,14.984 136.416,15.984 137.416,15.984 138.416,15.984 139.416,15.984 140.416,15.984 141.416,15.984 142.416,15.984 143.416,15.984 144.416,15.984 145.416,15.984 146.416,15.984 147.416,15.984 148.416,15.984 149.416,15.984 154.416,15.984 155.416,15.984 156.416,15.984 157.416,15.984 158.416,15.984 159.416,15.984 160.416,15.984 161.416,15.984 162.416,15.984 163.416,15.984 164.416,15.984 165.416,15.984 166.416,15.984 167.416,15.984 168.416,15.984 169.416,15.984 170.416,15.984 171.416,15.984 172.416,15.984 175.416,15.984 176.416,15.984 177.416,15.984 178.416,15.984 179.416,15.984 180.416,15.984 181.416,15.984 182.416,15.984 183.416,15.984 184.416,15.984 185.416,15.984 186.416,15.984 187.416,15.984 188.416,15.984 189.416,15.984 190.416,15.984 191.416,15.984 192.416,15.984 193.416,15.984 194.416,15.984 195.416,15.984 196.416,15.984 197.416,15.984 198.416,15.984 199.416,15.984 200.416,15.984 201.416,15.984 202.416,15.984 203.416,15.984 204.416,15.984 205.416,15.984 206.416,15.984 207.416,15.984 208.416,15.984 209.416,15.984 210.416,15.984 213.416,15.984 214.416,15.984 215.416,15.984 216.416,15.984 217.416,15.984 218.416,15.984 219.416,15.984 220.416,15.984 221.416,15.984 222.416,15.984 223.416,15.984 227.416,15.984 228.416,15.984 229.416,15.984 230.416,15.984 231.416,15.984 232.416,15.984 233.416,15.984 234.416,15.984 235.416,15.984 236.416,15.984 237.416,15.984 238.416,15.984 239.416,15.984 240.416,15.984 241.416,15.984 242.416,15.984 243.416,15.984 244.416,15.984 245.416,15.984 246.416,15.984 247.416,15.984 250.416,15.984 251.416,15.984 252.416,15.984 253.416,15.984 254.416,15.984 255.416,15.984 256.416,15.984 257.416,15.984 258.416,15.984 259.416,15.984 260.416,15.984 261.416,15.984 262.416,15.984 263.416,15.984 264.416,15.984 265.416,15.984 266.416,15.984 267.416,15.984 268.416,15.984 269.416,15.984 270.416,15.984 271.416,15.984 272.416,15.984 273.416,15.984 274.416,15.984 275.416,15.984 276.416,15.984 277.416,15.984 278.416,15.984 279.416,15.984 280.416,15.984 281.416,15.984 282.416,15.984 283.416,15.984 284.416,15.984 286.416,15.984 287.416,15.984 288.416,15.984 289.416,15.984 290.416,15.984 291.416,15.984 292.416,15.984 293.416,15.984 294.416,15.984 295.416,15.984 296.416,15.984 297.416,15.984 301.416,15.984 302.416,15.984 303.416,15.984 304.416,15.984 305.416,15.984 306.416,15.984 307.416,15.984 308.416,15.984 309.416,15.984 310.416,15.984 311.416,15.984 312.416,15.984 313.416,15.984 314.416,15.984 315.416,15.984 316.416,15.984 317.416,15.984 318.416,15.984 319.416,15.984 320.416,15.984 321.416,15.984 94.1,16.35 53.6,16.4 12.916,16.484 65.416,16.484 66.916,16.484 68.416,16.484 69.916,16.484 90.916,16.484 92.416,16.484 105.916,16.484 107.416,16.484 42.875,16.8 127.916,16.984 128.916,16.984 129.916,16.984 130.916,16.984 131.916,16.984 132.916,16.984 133.916,16.984 134.916,16.984 137.916,16.984 138.916,16.984 139.916,16.984 140.916,16.984 141.916,16.984 142.916,16.984 143.916,16.984 144.916,16.984 145.916,16.984 146.916,16.984 147.916,16.984 148.916,16.984 153.916,16.984 154.916,16.984 155.916,16.984 156.916,16.984 157.916,16.984 158.916,16.984 159.916,16.984 160.916,16.984 161.916,16.984 162.916,16.984 163.916,16.984 164.916,16.984 165.916,16.984 166.916,16.984 167.916,16.984 168.916,16.984 169.916,16.984 170.916,16.984 171.916,16.984 172.916,16.984 175.916,16.984 176.916,16.984 177.916,16.984 178.916,16.984 179.916,16.984 180.916,16.984 181.916,16.984 182.916,16.984 183.916,16.984 184.916,16.984 185.916,16.984 186.916,16.984 187.916,16.984 188.916,16.984 189.916,16.984 190.916,16.984 191.916,16.984 192.916,16.984 193.916,16.984 194.916,16.984 195.916,16.984 196.916,16.984 197.916,16.984 198.916,16.984 199.916,16.984 200.916,16.984 201.916,16.984 202.916,16.984 203.916,16.984 204.916,16.984 205.916,16.984 206.916,16.984 207.916,16.984 208.916,16.984 209.916,16.984 210.916,16.984 212.916,16.984 213.916,16.984 214.916,16.984 215.916,16.984 216.916,16.984 217.916,16.984 218.916,16.984 219.916,16.984 220.916,16.984 221.916,16.984 222.916,16.984 227.916,16.984 228.916,16.984 229.916,16.984 230.916,16.984 231.916,16.984 232.916,16.984 233.916,16.984 234.916,16.984 235.916,16.984 236.916,16.984 237.916,16.984 238.916,16.984 239.916,16.984 240.916,16.984 241.916,16.984 242.916,16.984 243.916,16.984 244.916,16.984 245.916,16.984 246.916,16.984 247.916,16.984 249.916,16.984 250.916,16.984 251.916,16.984 252.916,16.984 253.916,16.984 254.916,16.984 255.916,16.984 256.916,16.984 257.916,16.984 258.916,16.984 259.916,16.984 260.916,16.984 261.916,16.984 262.916,16.984 263.916,16.984 264.916,16.984 265.916,16.984 266.916,16.984 267.916,16.984 268.916,16.984 269.916,16.984 270.916,16.984 271.916,16.984 272.916,16.984 273.916,16.984 274.916,16.984 275.916,16.984 276.916,16.984 277.916,16.984 278.916,16.984 279.916,16.984 280.916,16.984 281.916,16.984 282.916,16.984 283.916,16.984 286.916,16.984 287.916,16.984 288.916,16.984 289.916,16.984 290.916,16.984 291.916,16.984 292.916,16.984 293.916,16.984 294.916,16.984 295.916,16.984 296.916,16.984 301.916,16.984 302.916,16.984 303.916,16.984 304.916,16.984 305.916,16.984 306.916,16.984 307.916,16.984 308.916,16.984 309.916,16.984 310.916,16.984 311.916,16.984 312.916,16.984 313.916,16.984 314.916,16.984 315.916,16.984 316.916,16.984 317.916,16.984 318.916,16.984 319.916,16.984 320.916,16.984 321.916,16.984 41.975,17.55 42.65,17.575 13.666,17.984 34.666,17.984 79.666,17.984 81.166,17.984 82.666,17.984 85.666,17.984 91.666,17.984 96.166,17.984 106.666,17.984 108.166,17.984 109.666,17.984 128.416,17.984 129.416,17.984 130.416,17.984 131.416,17.984 132.416,17.984 133.416,17.984 134.416,17.984 135.416,17.984 138.416,17.984 139.416,17.984 140.416,17.984 141.416,17.984 142.416,17.984 143.416,17.984 144.416,17.984 145.416,17.984 146.416,17.984 154.416,17.984 155.416,17.984 156.416,17.984 157.416,17.984 158.416,17.984 159.416,17.984 160.416,17.984 161.416,17.984 162.416,17.984 163.416,17.984 164.416,17.984 165.416,17.984 166.416,17.984 167.416,17.984 168.416,17.984 169.416,17.984 170.416,17.984 171.416,17.984 172.416,17.984 173.416,17.984 174.416,17.984 176.416,17.984 177.416,17.984 178.416,17.984 179.416,17.984 180.416,17.984 181.416,17.984 182.416,17.984 183.416,17.984 184.416,17.984 185.416,17.984 186.416,17.984 187.416,17.984 188.416,17.984 189.416,17.984 190.416,17.984 191.416,17.984 192.416,17.984 193.416,17.984 194.416,17.984 195.416,17.984 196.416,17.984 197.416,17.984 198.416,17.984 199.416,17.984 200.416,17.984 201.416,17.984 202.416,17.984 203.416,17.984 204.416,17.984 205.416,17.984 206.416,17.984 207.416,17.984 208.416,17.984 209.416,17.984 210.416,17.984 213.416,17.984 214.416,17.984 215.416,17.984 216.416,17.984 217.416,17.984 218.416,17.984 219.416,17.984 220.416,17.984 221.416,17.984 222.416,17.984 223.416,17.984 228.416,17.984 229.416,17.984 230.416,17.984 231.416,17.984 232.416,17.984 233.416,17.984 234.416,17.984 235.416,17.984 236.416,17.984 237.416,17.984 238.416,17.984 239.416,17.984 240.416,17.984 241.416,17.984 242.416,17.984 243.416,17.984 244.416,17.984 245.416,17.984 246.416,17.984 247.416,17.984 250.416,17.984 251.416,17.984 252.416,17.984 253.416,17.984 254.416,17.984 255.416,17.984 256.416,17.984 257.416,17.984 258.416,17.984 259.416,17.984 260.416,17.984 261.416,17.984 262.416,17.984 263.416,17.984 264.416,17.984 265.416,17.984 266.416,17.984 267.416,17.984 268.416,17.984 269.416,17.984 270.416,17.984 271.416,17.984 272.416,17.984 273.416,17.984 274.416,17.984 275.416,17.984 276.416,17.984 277.416,17.984 278.416,17.984 279.416,17.984 280.416,17.984 281.416,17.984 282.416,17.984 283.416,17.984 284.416,17.984 286.416,17.984 287.416,17.984 288.416,17.984 289.416,17.984 290.416,17.984 291.416,17.984 292.416,17.984 293.416,17.984 294.416,17.984 295.416,17.984 296.416,17.984 301.416,17.984 302.416,17.984 303.416,17.984 304.416,17.984 305.416,17.984 306.416,17.984 307.416,17.984 308.416,17.984 309.416,17.984 310.416,17.984 311.416,17.984 312.416,17.984 313.416,17.984 314.416,17.984 315.416,17.984 316.416,17.984 317.416,17.984 318.416,17.984 319.416,17.984 320.416,17.984 321.416,17.984 93.825,18.125 48.475,18.15 104.925,18.175 45.702,18.751 76.225,18.825 103.35,18.875 127.916,18.984 128.916,18.984 129.916,18.984 130.916,18.984 131.916,18.984 132.916,18.984 133.916,18.984 134.916,18.984 135.916,18.984 136.916,18.984 139.916,18.984 140.916,18.984 141.916,18.984 142.916,18.984 143.916,18.984 144.916,18.984 145.916,18.984 154.916,18.984 155.916,18.984 156.916,18.984 157.916,18.984 158.916,18.984 159.916,18.984 160.916,18.984 161.916,18.984 162.916,18.984 163.916,18.984 164.916,18.984 165.916,18.984 166.916,18.984 167.916,18.984 168.916,18.984 169.916,18.984 170.916,18.984 171.916,18.984 172.916,18.984 173.916,18.984 176.916,18.984 177.916,18.984 178.916,18.984 179.916,18.984 180.916,18.984 181.916,18.984 182.916,18.984 183.916,18.984 184.916,18.984 185.916,18.984 186.916,18.984 187.916,18.984 188.916,18.984 189.916,18.984 190.916,18.984 191.916,18.984 192.916,18.984 193.916,18.984 194.916,18.984 195.916,18.984 196.916,18.984 197.916,18.984 198.916,18.984 199.916,18.984 200.916,18.984 201.916,18.984 202.916,18.984 203.916,18.984 204.916,18.984 205.916,18.984 206.916,18.984 207.916,18.984 208.916,18.984 209.916,18.984 210.916,18.984 212.916,18.984 213.916,18.984 214.916,18.984 215.916,18.984 216.916,18.984 217.916,18.984 218.916,18.984 219.916,18.984 220.916,18.984 228.916,18.984 229.916,18.984 230.916,18.984 231.916,18.984 232.916,18.984 233.916,18.984 234.916,18.984 235.916,18.984 236.916,18.984 237.916,18.984 238.916,18.984 239.916,18.984 240.916,18.984 241.916,18.984 242.916,18.984 243.916,18.984 244.916,18.984 245.916,18.984 246.916,18.984 247.916,18.984 249.916,18.984 250.916,18.984 251.916,18.984 252.916,18.984 253.916,18.984 254.916,18.984 255.916,18.984 256.916,18.984 257.916,18.984 258.916,18.984 259.916,18.984 260.916,18.984 261.916,18.984 262.916,18.984 263.916,18.984 264.916,18.984 265.916,18.984 266.916,18.984 267.916,18.984 268.916,18.984 269.916,18.984 270.916,18.984 271.916,18.984 272.916,18.984 273.916,18.984 274.916,18.984 275.916,18.984 276.916,18.984 277.916,18.984 278.916,18.984 279.916,18.984 280.916,18.984 281.916,18.984 282.916,18.984 283.916,18.984 286.916,18.984 287.916,18.984 288.916,18.984 289.916,18.984 290.916,18.984 291.916,18.984 292.916,18.984 293.916,18.984 301.916,18.984 302.916,18.984 303.916,18.984 304.916,18.984 305.916,18.984 306.916,18.984 307.916,18.984 308.916,18.984 309.916,18.984 310.916,18.984 311.916,18.984 312.916,18.984 313.916,18.984 314.916,18.984 315.916,18.984 316.916,18.984 317.916,18.984 318.916,18.984 319.916,18.984 320.916,18.984 321.916,18.984 63.5,19.275 12.916,19.484 92.416,19.484 95.416,19.484 105.916,19.484 107.416,19.484 108.916,19.484 110.416,19.484 128.416,19.984 129.416,19.984 130.416,19.984 131.416,19.984 132.416,19.984 133.416,19.984 134.416,19.984 135.416,19.984 156.416,19.984 157.416,19.984 158.416,19.984 159.416,19.984 160.416,19.984 161.416,19.984 162.416,19.984 163.416,19.984 164.416,19.984 165.416,19.984 166.416,19.984 167.416,19.984 168.416,19.984 169.416,19.984 170.416,19.984 171.416,19.984 172.416,19.984 173.416,19.984 174.416,19.984 176.416,19.984 177.416,19.984 178.416,19.984 179.416,19.984 180.416,19.984 181.416,19.984 182.416,19.984 183.416,19.984 184.416,19.984 185.416,19.984 186.416,19.984 187.416,19.984 188.416,19.984 189.416,19.984 190.416,19.984 191.416,19.984 192.416,19.984 193.416,19.984 194.416,19.984 195.416,19.984 196.416,19.984 197.416,19.984 198.416,19.984 199.416,19.984 200.416,19.984 201.416,19.984 202.416,19.984 203.416,19.984 204.416,19.984 205.416,19.984 206.416,19.984 207.416,19.984 208.416,19.984 209.416,19.984 210.416,19.984 213.416,19.984 214.416,19.984 215.416,19.984 216.416,19.984 217.416,19.984 218.416,19.984 219.416,19.984 229.416,19.984 230.416,19.984 231.416,19.984 232.416,19.984 233.416,19.984 234.416,19.984 235.416,19.984 236.416,19.984 237.416,19.984 238.416,19.984 239.416,19.984 240.416,19.984 241.416,19.984 242.416,19.984 243.416,19.984 244.416,19.984 245.416,19.984 246.416,19.984 247.416,19.984 250.416,19.984 251.416,19.984 252.416,19.984 253.416,19.984 254.416,19.984 255.416,19.984 256.416,19.984 257.416,19.984 258.416,19.984 259.416,19.984 260.416,19.984 261.416,19.984 262.416,19.984 263.416,19.984 264.416,19.984 265.416,19.984 266.416,19.984 267.416,19.984 268.416,19.984 269.416,19.984 270.416,19.984 271.416,19.984 272.416,19.984 273.416,19.984 274.416,19.984 275.416,19.984 276.416,19.984 277.416,19.984 278.416,19.984 279.416,19.984 280.416,19.984 281.416,19.984 282.416,19.984 283.416,19.984 284.416,19.984 287.416,19.984 288.416,19.984 289.416,19.984 290.416,19.984 291.416,19.984 292.416,19.984 293.416,19.984 302.416,19.984 303.416,19.984 304.416,19.984 305.416,19.984 306.416,19.984 307.416,19.984 308.416,19.984 309.416,19.984 310.416,19.984 311.416,19.984 312.416,19.984 313.416,19.984 314.416,19.984 315.416,19.984 316.416,19.984 317.416,19.984 318.416,19.984 319.416,19.984 320.416,19.984 321.416,19.984 13.666,20.984 15.166,20.984 31.666,20.984 58.666,20.984 60.166,20.984 82.666,20.984 84.166,20.984 94.666,20.984 96.166,20.984 97.666,20.984 99.166,20.984 100.666,20.984 102.166,20.984 103.666,20.984 105.166,20.984 106.666,20.984 108.166,20.984 109.666,20.984 111.166,20.984 112.666,20.984 127.916,20.984 128.916,20.984 167.916,20.984 168.916,20.984 169.916,20.984 170.916,20.984 171.916,20.984 172.916,20.984 173.916,20.984 176.916,20.984 177.916,20.984 178.916,20.984 179.916,20.984 180.916,20.984 181.916,20.984 182.916,20.984 183.916,20.984 184.916,20.984 185.916,20.984 186.916,20.984 187.916,20.984 188.916,20.984 189.916,20.984 190.916,20.984 191.916,20.984 192.916,20.984 193.916,20.984 194.916,20.984 195.916,20.984 196.916,20.984 197.916,20.984 198.916,20.984 199.916,20.984 200.916,20.984 201.916,20.984 202.916,20.984 203.916,20.984 204.916,20.984 205.916,20.984 206.916,20.984 207.916,20.984 208.916,20.984 229.916,20.984 230.916,20.984 231.916,20.984 232.916,20.984 233.916,20.984 234.916,20.984 235.916,20.984 236.916,20.984 237.916,20.984 238.916,20.984 239.916,20.984 240.916,20.984 241.916,20.984 242.916,20.984 243.916,20.984 244.916,20.984 245.916,20.984 246.916,20.984 247.916,20.984 249.916,20.984 250.916,20.984 251.916,20.984 252.916,20.984 253.916,20.984 254.916,20.984 255.916,20.984 256.916,20.984 257.916,20.984 258.916,20.984 259.916,20.984 260.916,20.984 261.916,20.984 262.916,20.984 263.916,20.984 264.916,20.984 265.916,20.984 266.916,20.984 267.916,20.984 268.916,20.984 269.916,20.984 270.916,20.984 271.916,20.984 272.916,20.984 273.916,20.984 274.916,20.984 275.916,20.984 276.916,20.984 277.916,20.984 278.916,20.984 279.916,20.984 280.916,20.984 281.916,20.984 282.916,20.984 294.916,20.984 303.916,20.984 304.916,20.984 305.916,20.984 306.916,20.984 307.916,20.984 308.916,20.984 309.916,20.984 310.916,20.984 311.916,20.984 312.916,20.984 313.916,20.984 314.916,20.984 315.916,20.984 316.916,20.984 317.916,20.984 318.916,20.984 319.916,20.984 320.916,20.984 321.916,20.984 63.75,21.025 62.325,21.1 76.75,21.475 74.375,21.525 168.416,21.984 169.416,21.984 170.416,21.984 171.416,21.984 172.416,21.984 173.416,21.984 174.416,21.984 176.416,21.984 177.416,21.984 178.416,21.984 179.416,21.984 180.416,21.984 181.416,21.984 182.416,21.984 183.416,21.984 184.416,21.984 185.416,21.984 186.416,21.984 187.416,21.984 188.416,21.984 189.416,21.984 190.416,21.984 191.416,21.984 192.416,21.984 193.416,21.984 194.416,21.984 195.416,21.984 196.416,21.984 197.416,21.984 198.416,21.984 199.416,21.984 200.416,21.984 201.416,21.984 202.416,21.984 241.416,21.984 242.416,21.984 243.416,21.984 244.416,21.984 245.416,21.984 246.416,21.984 247.416,21.984 250.416,21.984 251.416,21.984 252.416,21.984 253.416,21.984 254.416,21.984 255.416,21.984 256.416,21.984 257.416,21.984 258.416,21.984 259.416,21.984